# KiCad board AmigaPCI Mainboard.kicad_pcb (continued)
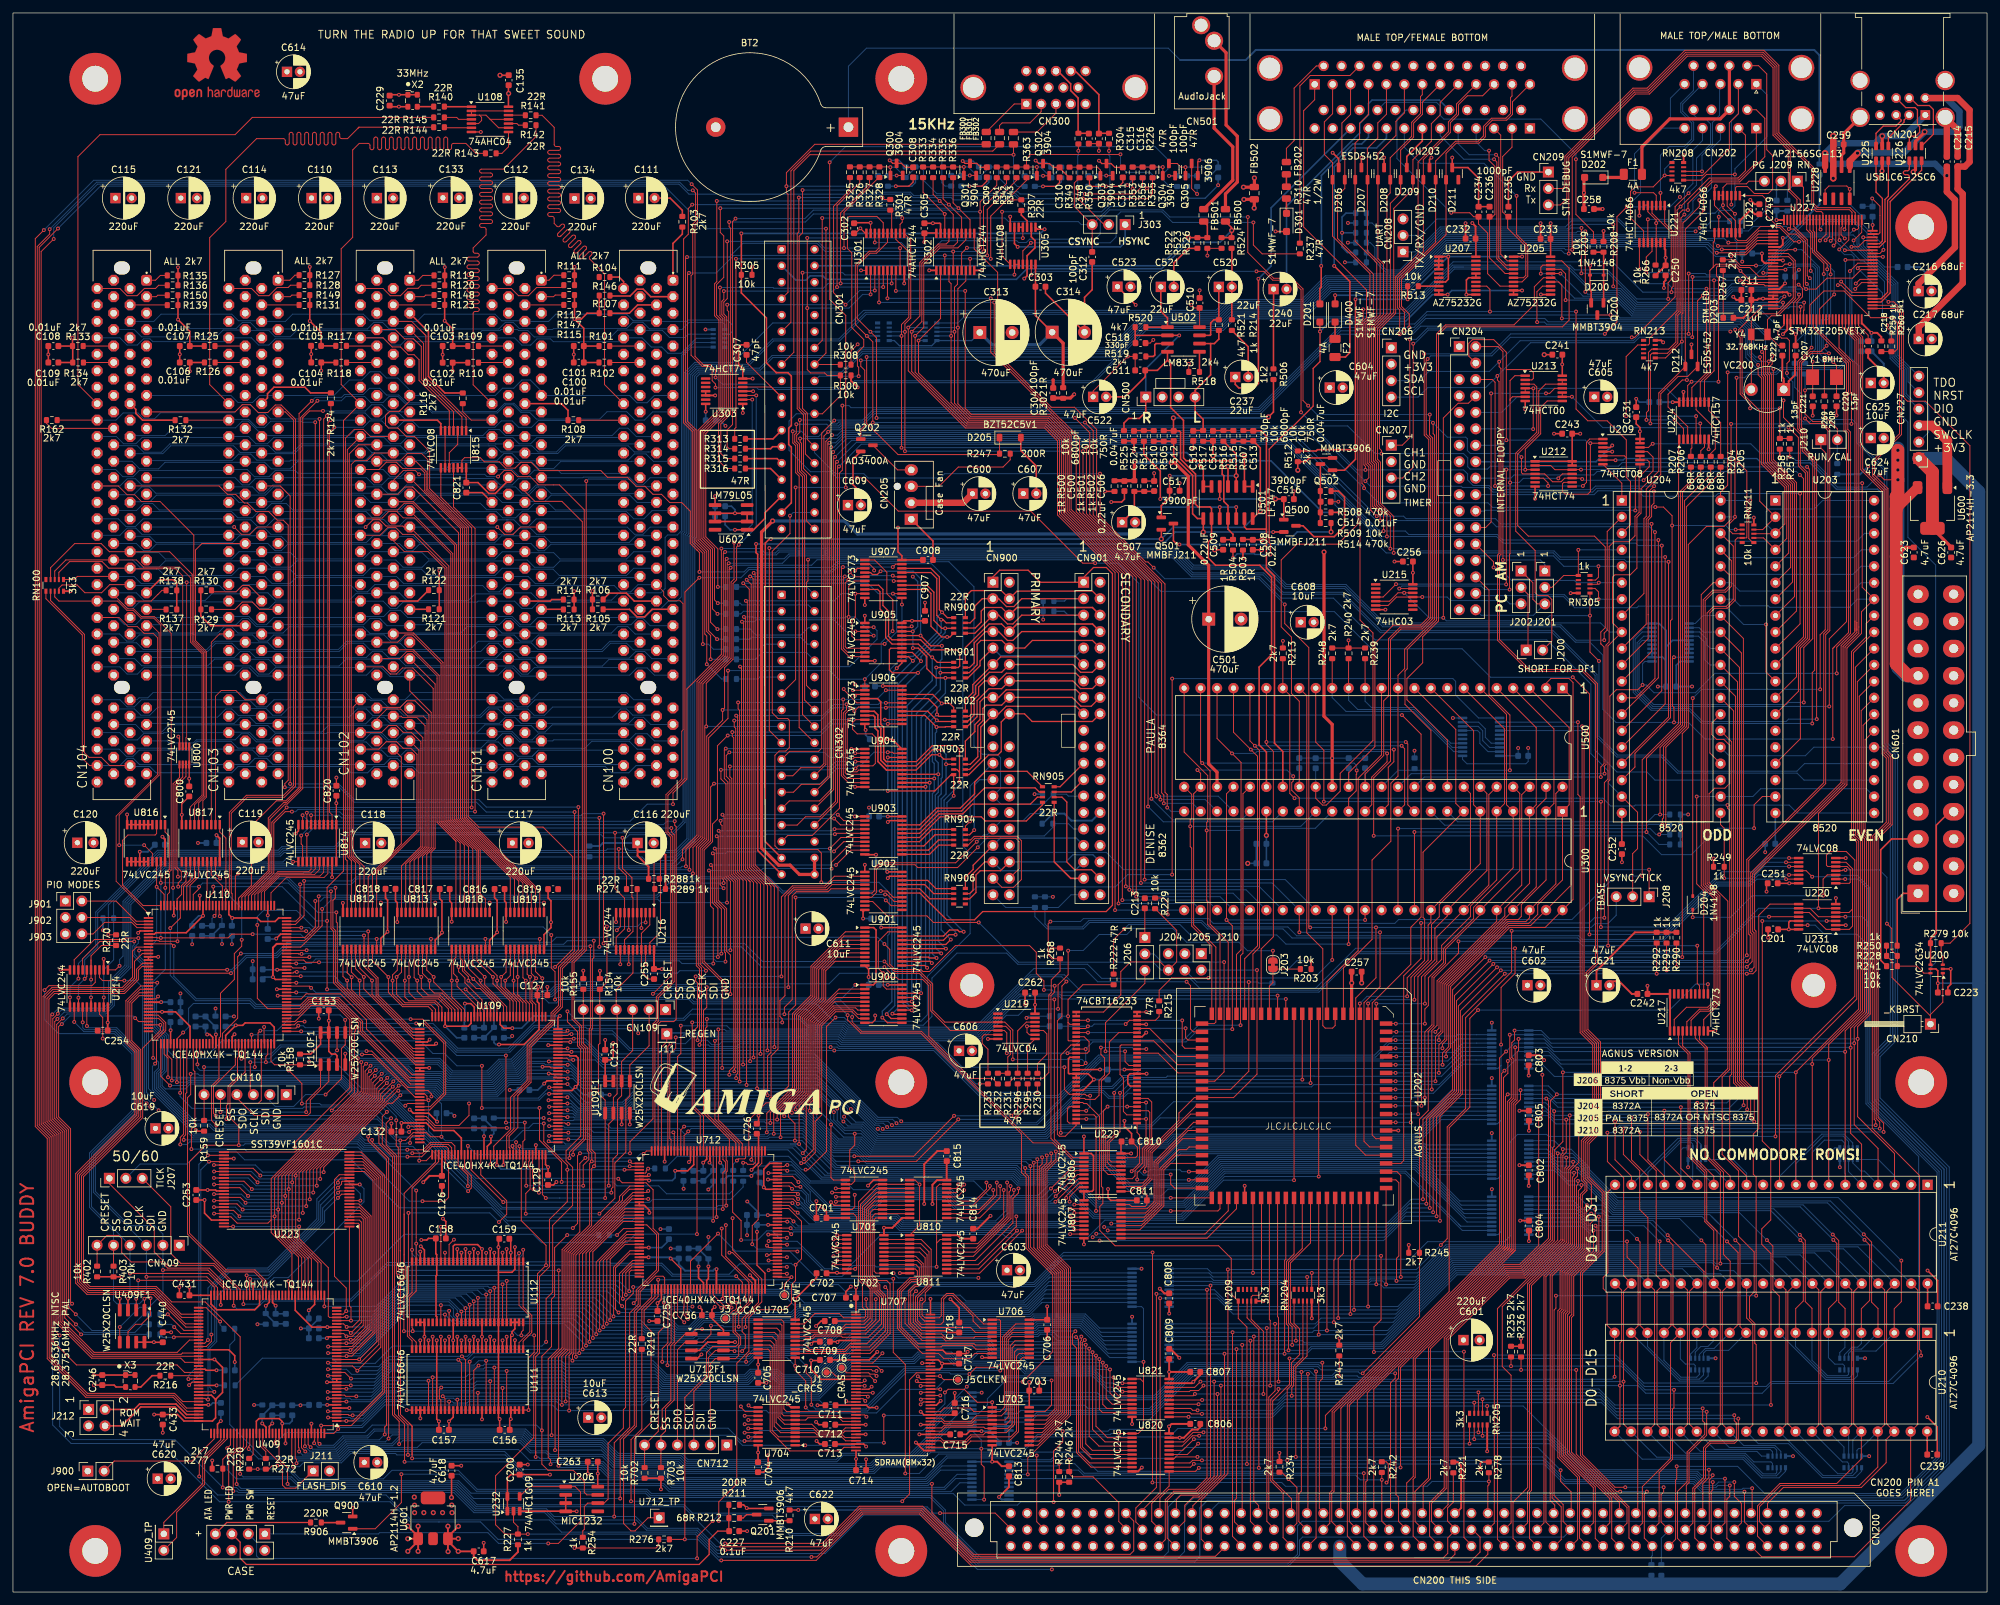
[diagram p0: board, top side]
## Routing (per net, layer and track width the routed paths; a pad name or vN(x,y) marks a point on that pad's centre or on a via; arc(x,y) is an arc through that point) (continued)
CLKPCI2: length 240.3
  Top w0.15: v1(69.89,93.06) 72.13,90.83 72.13,88.96 U109.129 ; v1(48.5,93.06) v1(48.5,103.63) 48.5,108.8 51.03,111.33 51.03,180.89 CN102.B16 50.68,186.47 50.68,207.42 52.45,209.19 52.45,222.68 53.47,223.7 54.82,223.7 arc(55.03,223.61) 55.12,223.4 55.12,223.02 arc(55.21,222.81) 55.42,222.72 arc(55.63,222.81) 55.72,223.02 55.72,224.38 arc(55.81,224.59) 56.02,224.68 arc(56.23,224.59) 56.32,224.38 56.32,223.02 arc(56.41,222.81) 56.62,222.72 arc(56.83,222.81) 56.92,223.02 56.92,224.38 arc(57.01,224.59) 57.22,224.68 arc(57.43,224.59) 57.52,224.38 57.52,223.02 arc(57.61,222.81) 57.82,222.72 arc(58.03,222.81) 58.12,223.02 58.12,224.38 arc(58.21,224.59) 58.42,224.68 arc(58.63,224.59) 58.72,224.38 58.72,223.02 arc(58.81,222.81) 59.02,222.72 arc(59.23,222.81) 59.32,223.02 59.32,224.38 arc(59.41,224.59) 59.62,224.68 arc(59.83,224.59) 59.92,224.38 59.92,223.02 arc(60.01,222.81) 60.22,222.72 arc(60.43,222.81) 60.52,223.02 60.52,224.38 arc(60.61,224.59) 60.82,224.68 arc(61.03,224.59) 61.12,224.38 61.12,223.02 arc(61.21,222.81) 61.42,222.72 arc(61.63,222.81) 61.72,223.02 61.72,224.38 arc(61.81,224.59) 62.02,224.68 arc(62.23,224.59) 62.32,224.38 62.32,223.02 arc(62.41,222.81) 62.62,222.72 arc(62.83,222.81) 62.92,223.02 62.92,224.38 arc(63.01,224.59) 63.22,224.68 arc(63.43,224.59) 63.52,224.38 63.52,223.02 arc(63.61,222.81) 63.82,222.72 arc(64.03,222.81) 64.12,223.02 64.12,224.38 arc(64.21,224.59) 64.42,224.68 arc(64.63,224.59) 64.72,224.38 64.72,223.02 arc(64.81,222.81) 65.02,222.72 arc(65.23,222.81) 65.32,223.02 65.32,224.38 arc(65.41,224.59) 65.62,224.68 arc(65.83,224.59) 65.92,224.38 65.92,223.02 arc(66.01,222.81) 66.22,222.72 arc(66.43,222.81) 66.52,223.02 66.52,224.38 arc(66.61,224.59) 66.82,224.68 arc(67.03,224.59) 67.12,224.38 67.12,223.02 arc(67.21,222.81) 67.42,222.72 arc(67.63,222.81) 67.72,223.02 67.72,223.4 arc(67.81,223.61) 68.02,223.7 ; U110.129 30.34,107.44 30.93,108.03 v1(30.93,108.93) ; R143.1 71.46,222.16 69.92,223.7 67.99,223.7
  Bottom w0.15: v1(30.93,108.93) 41.56,108.93 46.86,103.63 v1(48.5,103.63) ; v1(69.89,93.06) v1(48.5,93.06)
CLKPCI3: length 96.9
  Top w0.15: R144.1 53.43,226.2 53.28,226.05 ; CN103.B16 30.38,186.45 30.38,209.14 32.87,211.63 32.87,219.68 37.62,224.43 41.75,224.43 arc(41.96,224.35) 42.05,224.13 42.05,223.76 arc(42.14,223.55) 42.35,223.46 arc(42.56,223.55) 42.65,223.76 42.65,225.11 arc(42.74,225.32) 42.95,225.41 arc(43.16,225.32) 43.25,225.11 43.25,223.76 arc(43.34,223.55) 43.55,223.46 arc(43.76,223.55) 43.85,223.76 43.85,225.11 arc(43.94,225.32) 44.15,225.41 arc(44.36,225.32) 44.45,225.11 44.45,223.76 arc(44.54,223.55) 44.75,223.46 arc(44.96,223.55) 45.05,223.76 45.05,225.11 arc(45.14,225.32) 45.35,225.41 arc(45.56,225.32) 45.65,225.11 45.65,223.76 arc(45.74,223.55) 45.95,223.46 arc(46.16,223.55) 46.25,223.76 46.25,225.11 arc(46.34,225.32) 46.55,225.41 arc(46.76,225.32) 46.85,225.11 46.85,223.76 arc(46.94,223.55) 47.15,223.46 arc(47.36,223.55) 47.45,223.76 47.45,225.11 arc(47.54,225.32) 47.75,225.41 arc(47.96,225.32) 48.05,225.11 48.05,223.76 arc(48.14,223.55) 48.35,223.46 arc(48.56,223.55) 48.65,223.76 48.65,225.11 arc(48.74,225.32) 48.95,225.41 arc(49.16,225.32) 49.25,225.11 49.25,223.76 arc(49.34,223.55) 49.55,223.46 arc(49.76,223.55) 49.85,223.76 49.85,225.11 arc(49.94,225.32) 50.15,225.41 arc(50.36,225.32) 50.45,225.11 50.45,224.73 arc(50.54,224.52) 50.75,224.43 51.66,224.43 53.28,226.05 ; 53.43,226.21 53.28,226.05
CLKPCI4: length 96.8
  Top w0.15: R145.1 36.96,227.71 34.29,225.04 13.43,225.04 10.03,221.64 10.03,186.48 CN104.B16
CMA0: length 38.6
  Top w0.15: v1(132.76,30.77) 130.24,30.77 U707.25 ; v1(109.37,43.9) 107.62,45.64 U712.55
  In2.Cu w0.15: v1(132.76,30.77) 132.05,31.48 132.05,33 131.12,33.93 131.12,37.81 125.46,43.47 112.95,43.47 112.5,43.02 110.24,43.02 v1(109.37,43.9)
CMA1: length 42.5
  Top w0.15: v1(104.12,43.02) 104.12,43.03 U712.48 ; v1(132,30.17) 131.82,30.35 U707.26
  In2.Cu w0.15: v1(104.12,43.02) 104.63,42.52 109.47,42.52 109.86,42.12 113.07,42.12 113.52,42.57 125.09,42.57 130.23,37.44 130.23,31.94 v1(132,30.17)
CMA2: length 43.1
  Top w0.15: U707.27 131.26,29.85 v1(131.6,29.51) ; v1(104.22,42.18) 103.57,42.82 103.57,43.97 103.62,44.02 U712.47
  In2.Cu w0.15: v1(131.6,29.51) 129.93,31.19 129.93,37.31 124.96,42.27 113.7,42.27 113.25,41.82 109.74,41.82 109.35,42.22 104.27,42.22 v1(104.22,42.18)
CMA3: length 34.4
  Top w0.15: 118.03,50.2 v1(119.5,50.2) ; U707.60 140.3,29.85 v1(140.18,29.72)
  In2.Cu w0.15: 139.04,30.06 139.38,29.72 v1(140.18,29.72) ; 139.04,30.06 137,32.1 137,35.33 122.36,49.97 119.72,49.97 v1(119.5,50.2) ; 139.04,30.06 139.25,29.85
CMA4: length 39.9
  Top w0.15: v1(143.18,30.35) U707.61 ; U712.78 v1(116.68,51.2)
  In2.Cu w0.15: v1(116.68,51.2) 116.7,51.18 121.58,51.18 137.3,35.46 137.3,32.43 139.48,30.25 143.07,30.25 v1(143.18,30.35)
CMA5: length 34.1
  Top w0.15: U707.62 140.25,30.85 v1(140.18,30.77) ; U712.79 v1(119.5,51.7)
  In2.Cu w0.15: v1(119.5,51.7) 120.45,51.7 120.55,51.6 121.58,51.6 137.6,35.58 137.6,32.62 139.45,30.77 v1(140.18,30.77)
CMA6: length 40.5
  Top w0.15: v1(143.18,31.3) 143.12,31.35 U707.63 ; U712.80 116.95,52.2 116.77,52.02 v1(116.4,52.02)
  In2.Cu w0.15: v1(116.4,52.02) 118.55,52.02 118.83,52.3 120.45,52.3 120.85,51.9 121.7,51.9 137.9,35.7 137.9,32.93 139.53,31.3 v1(143.18,31.3)
CMA7: length 33.9
  Top w0.15: 118.03,52.68 121.03,52.68 v1(121.12,52.59) ; U707.64 140.18,31.85 v1(140.15,31.82)
  In2.Cu w0.15: v1(121.12,52.59) 121.44,52.59 138.2,35.83 138.2,33.05 139.43,31.82 v1(140.15,31.82)
CMA8: length 37.1
  Top w0.15: U712.82 116.71,53.2 v1(116.42,53.49) ; U707.65 139.77,32.35 v1(139.54,32.58)
  In2.Cu w0.15: v1(116.42,53.49) 116.8,53.11 121.34,53.11 138.5,35.95 138.5,33.62 v1(139.54,32.58)
CMA9: length 33.4
  Top w0.15: v1(119.53,53.64) 119.46,53.7 U712.83 ; U707.66 140.18,32.85 v1(139.71,33.31)
  In2.Cu w0.15: v1(139.71,33.31) 138.8,34.22 138.8,36.08 121.24,53.64 v1(119.53,53.64)
CMA10: length 38.1
  Top w0.15: 130.19,31.32 131.19,31.32 ; 131.19,31.32 132.19,31.32 v1(132.57,31.71) ; 131.19,31.32 132.13,31.32 132.14,31.33 ; U712.56 108.12,45.89 109.99,44.01 v1(110.14,44.01)
  In2.Cu w0.15: v1(110.14,44.01) 110.82,43.32 112.38,43.32 112.83,43.77 125.59,43.77 131.43,37.94 131.43,34.05 132.57,32.9 v1(132.57,31.71)
COMPVID: length 151.8
  Top w0.15: v1(126.1,220.77) 126.1,199.62 128.59,197.13 128.59,176.11 128.58,176.11 v1(128.58,170.57) ; CN302.13 120.84,140.91 v1(120.84,170.57)
  Bottom w0.15: R362.2 178.57,217.04 177.52,218.09 177.52,218.93 178.31,219.72 178.31,221.22 176.33,223.2 128.53,223.2 v1(126.1,220.77) ; v1(120.84,170.57) v1(128.58,170.57)
D0: length 75.8
  Top w0.15: 250.87,12.3 250.87,39 U210.19 250.93,41.12 250.93,50.01 249.21,51.72 v1(249.21,54.14)
  Bottom w0.15: U802.18 242.32,56.49 244.67,54.14 v1(249.21,54.14) ; U210.19 257.29,32.57 260.94,32.57 261.74,33.37 RN200.6
D1: length 100.6
  Top w0.15: v1(244.04,55.84) 244.04,52.66 240.38,49 240.38,43.16 240.03,42.81 240.03,21.38 246.85,14.56 246.85,8.28 CN200.c38 ; U210.18 251.23,41.18 251.23,54.05 v1(250.74,54.54)
  Bottom w0.15: U210.18 252.37,37.91 257.41,32.88 260.37,32.88 261.02,33.53 RN200.7 ; v1(250.74,54.54) 249.44,55.84 v1(244.04,55.84) 243.4,55.84 242.1,57.14 U802.17
D2: length 98.1
  Top w0.15: U210.17 256,41.12 256,48.97 254.25,50.74 v1(254.25,54.14) ; CN200.a38 248.04,13.8 240.33,21.5 240.33,42.5 240.68,42.85 240.68,48.87 244.56,52.76 244.56,56.34 v1(244.34,56.57)
  Bottom w0.15: U210.17 254.91,35.8 257.53,33.18 259.96,33.18 260.38,33.59 RN200.8 ; v1(254.25,54.14) 251.82,56.57 v1(244.34,56.57) 243.09,56.57 241.87,57.79 U802.16
D3: length 79
  Top w0.15: v1(255.54,54.31) 256.31,53.55 256.31,41.18 U210.16 255.94,38.51 255.94,20.63 251.58,16.28 251.58,10.63 CN200.b39
  Bottom w0.15: v1(255.54,54.31) 252.76,57.09 245.27,57.09 245.09,57.27 242.82,57.27 241.65,58.44 U802.15 ; RN200.9 259.74,34.99 259.53,35.2 258.24,35.2 257.45,35.99 U210.16
D4: length 99.5
  Top w0.15: U210.15 261.08,41.12 261.08,49.51 v1(255.48,55.11) ; 248.21,9.65 249.21,10.65 249.21,13.05 240.63,21.63 240.63,42.38 240.98,42.73 240.98,48.75 244.87,52.64 244.87,57.97 v1(244.86,57.98)
  Bottom w0.15: U210.15 259.99,37.72 259.02,36.75 RN200.1 ; v1(255.48,55.11) 253.2,57.39 245.45,57.39 v1(244.86,57.98) 244.32,57.98 244.13,57.79 242.72,57.79 241.42,59.09 U802.14
D5: length 105.3
  Top w0.15: U210.14 261.38,41.18 261.38,53.62 v1(260.69,54.31) ; CN200.c37 244.31,8.28 244.31,16.25 239.43,21.13 239.43,43.06 239.78,43.41 239.78,49.25 243.21,52.68 243.21,57.98 v1(243.67,58.44)
  Bottom w0.15: U210.14 262.53,38.75 261.7,37.92 260.61,37.92 259.74,37.05 RN200.2 ; U802.13 241.2,59.74 242.5,58.44 v1(243.67,58.44) 244.24,58.44 244.3,58.5 245.5,58.5 246.32,57.69 257.31,57.69 v1(260.69,54.31)
D6: length 109.8
  Top w0.15: v1(264.64,54.14) 266.36,52.43 266.36,41.31 U210.13 ; CN200.b37 246.55,10.68 246.55,14.44 239.73,21.25 239.73,42.94 240.08,43.29 240.08,49.12 243.51,52.55 243.51,56.86 244.3,57.65 v1(244.3,59.1)
  Bottom w0.15: U210.13 262.66,37.62 261.32,37.62 260.38,36.68 RN200.3 ; U802.12 240.97,60.39 242.27,59.09 244.29,59.09 v1(244.3,59.1) 245.33,59.1 246.44,57.99 260.8,57.99 v1(264.64,54.14)
D7: length 115.9
  Top w0.15: 243.12,7.09 241.88,8.33 241.88,17.83 238.83,20.88 238.83,43.31 239.18,43.66 239.18,49.5 242.61,52.93 242.61,59.34 v1(243.01,59.74) ; v1(265.94,54.32) 266.65,53.6 266.65,40.99 U210.12
  Bottom w0.15: v1(265.94,54.32) 263.25,57.01 ; 263.25,57.01 261.97,58.29 246.95,58.29 245.5,59.74 v1(243.01,59.74) 241.71,61.04 U802.11 ; 263.25,57.01 262.28,57.98 ; RN200.4 261.02,36.9 261.44,37.32 264.9,37.32 U210.12
D8: length 125.5
  Top w0.15: 272.72,40.06 272.72,45.7 271.74,46.69 271.74,53.41 v1(270.81,54.34) ; 238.05,12.19 238.05,13.43 237.35,14.13 237.35,48.94 241.71,53.3 241.71,61.98 242.18,62.45 v1(242.18,62.85)
  Bottom w0.15: v1(270.81,54.34) 266.56,58.59 247.08,58.59 242.82,62.85 v1(242.18,62.85) 240.26,62.85 237.97,65.14 U803.18 ; U210.10 279.91,32.81 284.2,32.81 284.78,33.39 RN201.6
D9: length 133.5
  Top w0.15: v1(275.97,54.34) 276.43,53.88 276.43,44.95 275.26,43.78 275.26,40.06 ; v1(241.64,63.48) 241.64,62.96 241.41,62.73 241.41,53.42 236.69,48.7 236.69,10.82 CN200.b34
  Bottom w0.15: 272.88,57.44 271.73,58.58 ; 272.88,57.44 271.42,58.89 247.2,58.89 242.61,63.48 v1(241.64,63.48) 240.05,63.48 237.74,65.79 U803.17 ; 272.88,57.44 v1(275.97,54.34) ; U210.9 275.23,37.91 280.03,33.11 283.56,33.11 284.06,33.61 RN201.7
D10: length 135.1
  Top w0.15: v1(275.89,55.16) 276.73,54.32 276.73,44.85 277.77,43.81 U210.8 ; v1(241.04,64.75) 241.04,64.31 240.81,64.08 240.81,53.67 234.46,47.32 234.46,15.7 234.15,15.39 234.15,8.28 CN200.c33
  Bottom w0.15: U210.8 277.77,35.8 280.16,33.41 283.2,33.41 283.42,33.63 RN201.8 ; v1(275.89,55.16) 271.86,59.19 247.32,59.19 241.76,64.75 v1(241.04,64.75) 239.21,64.75 237.52,66.44 U803.16
D11: length 133.2
  Top w0.15: 280.34,40.06 280.34,43.78 281.6,45.03 281.6,53.84 v1(281.06,54.38) ; CN200.b33 236.39,10.68 236.39,48.83 241.11,53.55 241.11,63.78 241.56,64.23 241.56,65.38 v1(241.55,65.39)
  Bottom w0.15: U803.15 237.29,67.09 238.59,65.79 241.15,65.79 v1(241.55,65.39) 241.55,65.39 247.45,59.49 275.95,59.49 v1(281.06,54.38) ; RN201.9 282.78,34.94 282.53,35.19 281.31,35.19 280.31,36.19 U210.7
D12: length 136.2
  Top w0.15: v1(280.98,55.21) 281.89,54.29 281.89,44.76 282.88,43.78 282.88,40.06 ; CN200.c32 231.61,8.28 231.61,13.88 233.86,16.13 233.86,47.57 240.21,53.92 240.21,65.23 240.89,65.91 v1(240.89,66.44)
  Bottom w0.15: v1(280.98,55.21) 276.39,59.79 247.57,59.79 242.31,65.06 242.31,65.38 241.24,66.44 v1(240.89,66.44) 238.37,66.44 237.07,67.74 U803.14 ; RN201.1 282.06,36.98 282.85,37.77 U210.6
D13: length 143.4
  Top w0.15: CN200.c31 229.2,8.14 229.2,43.76 239.61,54.17 239.61,65.48 239.83,65.7 v1(239.83,67.09) ; v1(285.87,54.39) 286.68,53.58 286.68,45.03 285.42,43.78 ; U210.5 285.39,43.75
  Bottom w0.15: RN201.2 282.78,36.64 283.95,37.81 284.83,37.81 285.39,38.37 U210.5 ; v1(285.87,54.39) 280.17,60.09 247.7,60.09 242.62,65.16 242.62,65.48 241.02,67.09 v1(239.83,67.09) 238.14,67.09 236.84,68.39 U803.13
D14: length 151.2
  Top w0.15: v1(285.77,55.24) 286.98,54.03 286.98,44.76 287.96,43.78 287.96,40.06 ; v1(238.51,67.74) 238.51,54.34 233.27,49.1 230.83,49.1 220.99,39.26 220.99,16.09 218.73,13.83 218.73,8.65 220.27,7.11
  Bottom w0.15: v1(285.77,55.24) 280.61,60.39 247.82,60.39 243.06,65.16 243.06,65.48 240.79,67.74 v1(238.51,67.74) 237.21,69.04 U803.12 ; U210.4 285.41,37.51 284.08,37.51 283.42,36.85 RN201.3
D15: length 154.6
  Top w0.15: 220.27,9.65 219.03,10.89 219.03,13.71 221.29,15.96 221.29,39.13 230.95,48.8 233.39,48.8 239,54.41 239,67.52 239.3,67.81 v1(239.3,68.39) ; v1(291.56,51.18) 291.56,44.84 290.5,43.78 ; U210.3 290.47,43.75
  Bottom w0.15: v1(291.56,51.18) 281.83,60.91 247.72,60.91 243.37,65.26 243.37,65.58 240.57,68.39 v1(239.3,68.39) 238,69.69 U803.11 ; RN201.4 284.06,37.07 284.2,37.21 287.65,37.21 U210.3
D16: length 213
  Top w0.15: CN200.b32 233.85,10.68 233.85,15.51 234.16,15.82 234.16,47.45 240.51,53.8 240.51,65.11 241.76,66.36 v1(241.76,72.29) ; v1(247.36,72.62) 247.36,66.75 249.9,64.21 U211.19 ; v1(268.86,72.63) 268.86,77.55 267.18,79.23 267.18,147.25 U204.33
  Bottom w0.15: RN202.9 260.64,69.13 259.71,70.06 257.08,70.06 U211.19 ; U201.11 259.74,149.55 260.96,150.78 U204.33 ; v1(268.86,72.63) 268.85,72.62 v1(247.36,72.62) 247.03,72.29 v1(241.76,72.29) 238.24,72.29 236.93,73.6 U822.18
D17: length 211.2
  Top w0.15: v1(268.3,73.27) 268.3,77.69 266.87,79.12 266.87,145.02 U204.32 ; v1(239.83,72.95) 239.83,67.92 239.31,67.39 239.31,54.39 239.31,54.39 239.31,54.29 233.52,48.5 231.08,48.5 221.58,39.01 221.58,13.5 220.27,12.19 ; U211.18 252.44,64.21 249.9,66.75 249.9,73.26 v1(249.89,73.27)
  Bottom w0.15: v1(268.3,73.27) v1(249.89,73.27) 246.15,73.27 245.83,72.95 v1(239.83,72.95) 238.01,72.95 236.7,74.25 U822.17 ; RN202.8 260,69.35 259.59,69.76 257.38,69.76 252.44,64.82 U211.18 ; U204.32 261.02,148.24 260.36,148.91 U201.12
D18: length 205.4
  Top w0.15: U211.17 254.98,64.21 252.44,66.75 v1(252.44,73.8) ; v1(267.77,74.53) 267.77,77.79 266.57,78.99 266.57,142.78 U204.31 ; v1(240.37,73.61) 240.37,73.6 240.37,65.81 239.91,65.36 239.91,54.04 229.95,44.08 229.95,34.83 231.31,33.47 231.31,10.68 CN200.b31
  Bottom w0.15: U822.16 236.48,74.91 237.77,73.61 v1(240.37,73.61) 246.32,73.61 246.33,73.61 246.51,73.8 252.44,73.8 v1(252.44,73.8) 267.04,73.8 v1(267.77,74.53) ; U211.17 254.98,66.94 257.5,69.46 259.08,69.46 259.36,69.18 RN202.7 ; U201.13 260.43,148.25 261.54,147.14 261.54,146.26 262.1,145.7 U204.31
D19: length 206.4
  Top w0.15: 217.73,9.65 216.49,10.89 216.49,15.55 218.56,17.62 218.56,37.67 230.58,49.7 233.02,49.7 237.69,54.36 237.69,68.55 237.96,68.82 v1(237.96,74.25) ; v1(267.21,75.17) 267.21,77.93 266.27,78.87 266.27,140.54 U204.30 ; v1(254.98,74.33) 254.98,66.75 257.52,64.21 U211.16
  Bottom w0.15: U201.14 260.24,147.6 261.15,146.69 261.15,144.03 262.02,143.16 U204.30 ; v1(267.21,75.17) 266.37,74.33 v1(254.98,74.33) 254.98,74.32 246.37,74.32 246.3,74.25 v1(237.96,74.25) 236.65,75.55 U822.15 ; U211.16 257.52,68.24 257.88,68.6 RN202.6
D20: length 191.3
  Top w0.15: U204.29 265.97,138.3 265.97,78.74 266.68,78.03 v1(266.68,76.44) ; v1(257.52,74.87) 257.52,65.42 U211.15 ; 215.19,12.19 215.19,16.83 216.2,17.85 216.2,36.17 230.33,50.3 232.77,50.3 237.08,54.61 237.08,75.87 v1(236.75,76.2)
  Bottom w0.15: v1(266.68,76.44) 264.93,74.69 257.7,74.69 v1(257.52,74.87) 238.55,74.87 237.22,76.2 v1(236.75,76.2) U822.14 ; U211.15 259.36,63.58 RN202.4
D21: length 198.5
  Top w0.15: 230.07,53 206.03,28.97 206.03,8.65 207.57,7.11 ; 230.07,53 230.44,53.38 ; 230.07,53 230.44,53.38 ; 230.44,53.38 230.44,76.5 v1(230.79,76.85) ; U204.28 265.67,136.06 265.67,78.62 266.16,78.13 v1(266.16,77.08) ; v1(260.06,75.54) 260.06,66.75 262.6,64.21 U211.14
  Bottom w0.15: U211.14 260,65.48 RN202.3 ; v1(266.16,77.08) 264.62,75.54 v1(260.06,75.54) 260.05,75.55 238.3,75.55 236.99,76.85 U822.13 230.8,76.85 v1(230.79,76.85)
D22: length 194.8
  Top w0.15: 231.44,52.25 213.94,34.76 213.94,33.04 213.52,32.62 213.52,15.07 213.94,14.66 213.94,10.9 215.19,9.65 ; 231.44,52.25 231.94,52.76 ; 231.44,52.25 231.94,52.76 ; U204.27 262.3,134.19 262.3,132.41 263.05,131.66 264.16,131.66 265.07,130.75 265.07,124.88 264.32,124.13 262.74,124.13 261.88,123.26 261.88,109.58 264.77,106.69 264.77,80.82 262.6,78.65 v1(262.6,76.21) 262.6,66.75 265.14,64.21 U211.13 ; 231.94,52.76 231.94,75.23 232.76,76.05 v1(232.76,77.5)
  Bottom w0.15: v1(232.76,77.5) 232.77,77.5 U822.12 236.76,77.5 238.06,76.21 v1(262.6,76.21) ; RN202.2 260.64,65.63 261.05,65.22 262.8,65.22 U211.13
D23: length 193.6
  Top w0.15: U204.26 265.37,131.28 265.37,79.96 265.07,79.66 v1(265.07,76.84) 265.07,66.82 267.68,64.21 U211.12 ; 217.73,7.11 216.19,8.65 216.19,17.41 216.5,17.72 216.5,36.05 230.46,50 232.9,50 237.38,54.49 237.38,75.85 v1(238.38,76.85)
  Bottom w0.15: RN202.1 265.56,66.8 267.68,64.68 U211.12 ; U822.11 237.07,78.16 v1(238.38,76.85) 265.06,76.85 v1(265.07,76.84)
D24: length 237.8
  Top w0.15: CN200.b21 203.62,10.87 203.62,15.21 203.98,15.57 203.98,27.77 229.84,53.63 229.84,80.06 v1(230.29,80.51) ; U211.10 272.76,66.71 ; U203.33 286.14,149.56 286.14,147.48 283.87,145.21 283.87,116.61 284.68,115.8 284.68,91.57 v1(272.73,79.62) 272.73,66.74
  Bottom w0.15: RN203.9 284.06,69.35 282.7,70.71 279.29,70.71 272.76,64.18 U211.10 ; v1(230.29,80.51) 231.94,82.16 U823.18 235.45,82.16 237.99,79.62 v1(272.73,79.62)
D25: length 226.6
  Top w0.15: 217.73,12.19 217.73,16.37 218.86,17.5 218.86,37.55 230.71,49.4 233.15,49.4 237.99,54.24 237.99,68.24 239.31,69.56 239.31,80.24 v1(239.31,80.25) ; 275.27,62.91 v1(275.27,80.25) 275.27,80.3 284.98,90.01 284.98,115.92 284.17,116.73 284.17,145.04 U203.32
  Bottom w0.15: U211.9 275.3,66.19 279.52,70.41 282.58,70.41 283.42,69.57 RN203.8 ; v1(275.27,80.25) v1(239.31,80.25) 239.31,80.81 237.31,82.81 U823.17
D26: length 228
  Top w0.15: 277.81,62.91 v1(277.81,81.53) 277.81,82.41 285.28,89.88 285.28,116.05 284.47,116.86 284.47,142.8 U203.31 ; 205.03,12.19 205.03,28.39 230.14,53.5 230.14,79.44 230.81,80.11 v1(230.81,82)
  Bottom w0.15: RN203.7 282.78,69.38 282.38,69.78 279.68,69.78 277.84,67.94 U211.8 ; v1(230.81,82) 232.28,83.46 237.08,83.46 239.02,81.53 v1(277.81,81.53)
D27: length 224.8
  Top w0.15: CN200.b23 208.87,10.7 208.87,17 209.11,17.24 209.11,30.77 231.05,52.72 ; 231.05,52.72 231.34,53 ; 231.05,52.72 231.34,53 ; U203.30 284.77,140.56 284.77,116.98 285.58,116.17 285.58,89.76 280.35,84.53 v1(280.35,82.16) 280.35,62.91 ; 231.34,53 231.34,75.48 231.94,76.08 v1(231.94,84.12)
  Bottom w0.15: RN203.6 281.3,68.6 280.38,67.68 U211.7 ; v1(280.35,82.16) 238.81,82.16 236.86,84.11 U823.15 231.94,84.11 v1(231.94,84.12)
D28: length 223.2
  Top w0.15: 282.89,62.91 v1(282.89,83.43) 282.89,86.64 285.88,89.63 285.88,116.3 285.07,117.11 285.07,138.32 U203.29 ; CN200.b20 203.32,10.63 203.32,15.33 203.68,15.69 203.68,27.89 229.54,53.75 229.54,82.47 v1(230.54,83.47)
  Bottom w0.15: v1(282.89,83.43) 282.86,83.46 237.94,83.46 236.63,84.76 U823.14 231.83,84.76 v1(230.54,83.47) ; U211.6 282.92,64.61 282.78,64.75 RN203.4
D29: length 217.6
  Top w0.15: 285.43,62.91 285.43,69.15 283.74,70.84 v1(283.74,84.06) 283.74,87.07 286.18,89.51 286.18,116.42 285.37,117.23 285.37,136.08 U203.28 ; 231.64,52.88 231.3,52.54 ; 231.64,52.88 231.3,52.54 ; 231.64,52.88 231.64,75.36 232.24,75.96 232.24,83.38 232.46,83.61 v1(232.46,85.41) ; 231.3,52.54 210.11,31.35 210.11,12.19
  Bottom w0.15: U211.5 283.42,64.92 RN203.3 ; v1(283.74,84.06) 283.69,84.11 237.71,84.11 236.41,85.41 U823.13 232.47,85.41 v1(232.46,85.41)
D30: length 223.7
  Top w0.15: U203.27 285.67,133.84 285.67,117.36 286.48,116.55 286.48,89.38 284.29,87.19 v1(284.29,84.75) 284.29,72.18 287.97,68.5 287.97,62.91 ; 230.29,52.8 206.33,28.84 206.33,10.89 207.57,9.65 ; 230.29,52.8 230.74,53.25 ; 230.29,52.8 230.74,53.25 ; v1(231.11,86.06) 231.11,82.46 231.34,82.23 231.34,76.33 230.74,75.73 230.74,53.25
  Bottom w0.15: v1(231.11,86.06) 231.12,86.06 U823.12 236.18,86.06 237.5,84.75 v1(284.29,84.75) ; RN203.2 284.06,66.26 285.31,65 285.88,65 U211.4
D31: length 221.1
  Top w0.15: 230.72,52.81 231.04,53.13 ; 230.72,52.81 207.57,29.66 207.57,12.19 ; 230.72,52.81 231.04,53.13 ; 290.51,62.91 290.51,67.72 284.82,73.41 284.82,87.3 286.78,89.26 286.78,116.67 285.97,117.48 285.97,131.6 U203.26 ; 231.04,53.13 231.04,75.61 231.64,76.21 231.64,82.36 231.42,82.58 231.42,84.81 231.85,85.25 v1(231.85,86.71)
  Bottom w0.15: RN203.1 288,66.8 290.54,64.26 U211.3 ; v1(231.85,86.71) 231.86,86.71 U823.11 235.95,86.71 237.25,85.42 v1(284.82,85.42)
DA0: length 67.6
  Top w0.15: v1(104.88,87.96) 104.88,74.85 106.12,73.6 U712.129 ; U902.3 126.61,109.89 125.47,108.74 120.49,108.74 119.2,107.45 119.2,92.09 118.43,91.32 118.43,88.87 118.77,88.53 v1(118.77,87.96)
  Bottom w0.15: v1(118.77,87.96) 118.76,87.96 v1(104.88,87.96)
DA1: length 67.6
  Top w0.15: v1(105.41,95.06) 105.41,95.05 105.41,94.36 105.7,94.06 105.7,87.28 105.18,86.75 105.18,74.97 106.62,73.53 U712.128 ; U902.2 126.84,110.54 125.34,109.04 120.37,109.04 118.65,107.33 v1(118.65,95.06)
  Bottom w0.15: v1(118.65,95.06) v1(105.41,95.06)
DA2: length 66.4
  Top w0.15: U902.4 126.47,109.24 125.67,108.44 120.62,108.44 119.72,107.54 119.72,93.41 v1(119.72,93.4) ; U712.120 110.62,69.95 106.62,73.95 106.62,89.8 107.12,90.3 v1(107.12,93.4)
  Bottom w0.15: v1(119.72,93.4) v1(107.12,93.4)
DATADIR: length 284.2
  Top w0.15: v1(229.76,84.53) 229.76,93.36 231.92,95.51 v1(231.92,99.41) ; v1(24.84,99.74) 24.49,100.09 U110.9
  Bottom w0.15: v1(231.92,99.41) 207.3,99.41 201.13,93.24 183.25,93.24 181.72,94.76 168.08,94.76 165.91,96.94 155.15,96.94 153.43,98.66 145.75,98.66 141.89,94.8 141.89,88.87 140.55,87.53 129.1,87.53 128.5,88.13 126.74,88.13 124.04,90.83 105.03,90.83 104.36,91.51 84.46,91.51 83.92,90.97 82.74,90.97 82.07,91.64 66.43,91.64 65.53,90.74 37.57,90.74 36.71,91.61 28.32,91.61 24.84,95.1 v1(24.84,99.74) ; U823.1 229.29,80.86 229.76,81.34 ; U822.1 229.21,72.31 229.76,72.86 ; 229.76,72.86 229.76,81.34 ; 229.76,72.86 229.76,64.34 ; 229.76,81.34 v1(229.76,84.53) ; 229.76,64.34 229.76,55.66 229.29,55.19 U802.1 ; 229.76,64.34 229.26,63.84 U803.1
DBDIR: length 82.6
  Top w0.15: v1(122.4,28.51) 122.4,32.59 120.78,34.21 v1(120.78,34.93) 120.77,34.93 U705.1 ; U706.1 152.31,42.05 152.48,41.88 152.48,35.25 151.93,34.71 148.71,34.71 v1(147.67,33.67) ; v1(101.05,35.02) 101.05,37.98 101.62,38.55 U712.43
  Bottom w0.15: v1(120.78,34.93) 119.48,36.22 114.76,36.22 113.56,35.02 v1(101.05,35.02) ; v1(122.4,28.51) 122.94,27.96 131.95,27.96 137.86,33.88 144.6,33.88 144.81,33.67 v1(147.67,33.67)
DIR: length 82.1
  Top w0.15: v1(275.9,172.5) 276.45,171.94 276.45,147.49 U203.11
  Bottom w0.15: CN204.18 231.27,172 231.77,172.5 244.07,172.5 244.6,173.02 275.38,173.02 v1(275.9,172.5)
DKWE: length 107.4
  Top w0.15: v1(245.16,125.85) 245.16,127.4 245.67,127.91 245.67,145.94 245.19,146.41 245.16,146.41 245.16,148.23 245.85,148.92 245.85,161.39 244.19,163.05 233.98,163.05 232.32,164.7 232.32,175.73 235.58,178.98 235.58,185.47 236.63,186.52 239.21,186.52 U213.13
  Bottom w0.15: v1(245.16,125.85) 217.9,125.85 U500.39
DMA: length 282.8
  Top w0.15: v1(174.55,35.55) 174.55,32.42 ; 174.55,32.42 174.55,25.29 173.75,24.49 U820.1 170.77,24.49 v1(170.77,24.48) ; 174.55,32.42 174.07,32.9 U821.1 ; v1(56.5,71.52) 56.5,69.29 58.6,67.19 58.6,27.38 59.63,26.35 v1(59.63,22.84) ; v1(31.42,72.06) 30.66,72.82 30.66,78.16 31.81,79.3 31.81,84.65 ; v1(149.51,22.13) 149.51,19.74 149.95,19.3 v1(149.95,14.27) ; v1(35.32,100.72) 35.32,99.73 34.19,98.59 34.19,94.6 32.04,92.46 32.04,85.76 31.84,85.56 U110.55 ; v1(32.88,108.36) 32.88,108.36 32.88,116.42 31.93,117.38 U817.1
  Bottom w0.15: v1(31.42,72.06) 32.53,72.06 32.75,71.84 56.18,71.84 v1(56.5,71.52) ; v1(149.51,22.13) 141.83,22.13 139.32,19.62 133.87,19.62 132.88,18.63 103.48,18.63 102.52,19.59 92.75,19.59 91.08,21.26 82.95,21.26 82.41,21.8 79.99,21.8 78.42,23.37 60.16,23.37 v1(59.63,22.84) ; v1(149.51,22.13) 155.99,22.13 158.17,24.31 169.42,24.31 169.58,24.48 v1(170.77,24.48) ; v1(149.51,22.13) 149.51,23.5 U808.1 ; v1(35.32,100.72) 35.32,105.58 33.01,107.88 ; U809.1 149.94,14.27 v1(149.95,14.27) ; 33.01,107.88 32.88,108.01 v1(32.88,108.36) ; 33.01,107.88 32.88,108.02 ; U805.1 174.25,44.07 174.55,43.78 v1(174.55,35.55) 174.54,35.56 U804.1
DMAL: length 53.8
  Top w0.15: U202.18 202.88,94.24 207.69,99.06 207.69,125.66 211.31,129.27 U500.12
DRA0-G: length 55.7
  Top w0.15: U806.13 174.45,63.18 175.27,63.99 175.27,68.09 180.02,72.84 180.02,73.97 182.4,76.35 U202.42 188.46,76.35 192.08,79.97 v1(192.08,96.05)
  Bottom w0.15: AGNUS1.2 192.07,96.04 v1(192.08,96.05)
DRA1-0: length 20
  Top w0.15: 171.18,62.62 174.32,62.62 175.57,63.87 175.57,67.97 182.68,75.08 U202.43
DRA2-1: length 19.9
  Top w0.15: U202.44 181.84,73.81 175.87,67.84 175.87,63.74 174.45,62.32 173.14,62.32 172.7,61.88 U806.11
DRA3-2: length 21.7
  Top w0.15: U202.45 182.29,72.54 176.19,66.44 176.19,60.26 175.12,59.19 U807.18
DRA4-3: length 21.4
  Top w0.15: U202.46 181.44,71.27 176.49,66.32 176.49,60.14 174.89,58.53 U807.17
DRA5-4: length 21.1
  Top w0.15: U202.47 180.6,70 176.79,66.2 176.79,60.02 174.66,57.88 U807.16